# Altium PCB RabbitMask.PcbDoc (part 3 of 5)
Units mm, origin at the board's own origin, x right, y up, seen from the top; angles counter-clockwise.
Board outline 372.49 x 232.54 mm, 2 copper layers (Top Layer, Bottom Layer); 598 components, 1202 nets, 3588 pads, 0 vias.
Unrouted connection lines stored in the file: 1647.

## Board outline (continued)
cut-out: 123.534,-50.241 ccw(c123.784,-50.241) 123.784,-50.491 ccw(c123.784,-50.241) 124.034,-50.241 ccw(c123.784,-50.241) 123.784,-49.991 ccw(c123.784,-50.241)
cut-out: 122.265,-46.659 ccw(c123.263,-46.71) 124.262,-46.761 125.282,-26.787 ccw(c124.283,-26.736) 123.285,-26.685
cut-out: 122.238,-48.172 ccw(c122.488,-48.172) 122.488,-48.422 ccw(c122.488,-48.172) 122.738,-48.172 ccw(c122.488,-48.172) 122.488,-47.922 ccw(c122.488,-48.172)
cut-out: 122.187,-49.171 ccw(c122.437,-49.171) 122.437,-49.421 ccw(c122.437,-49.171) 122.687,-49.171 ccw(c122.437,-49.171) 122.437,-48.921 ccw(c122.437,-49.171)
cut-out: 93.801,-16.013 cw(c93.228,-15.194) 92.655,-14.374 115.6,1.673 cw(c116.173,0.853) 116.746,0.034
cut-out: 92.15,-16.627 ccw(c92.4,-16.627) 92.4,-16.877 ccw(c92.4,-16.627) 92.65,-16.627 ccw(c92.4,-16.627) 92.4,-16.377 ccw(c92.4,-16.627)
cut-out: 122.136,-50.17 ccw(c122.386,-50.17) 122.386,-50.42 ccw(c122.386,-50.17) 122.636,-50.17 ccw(c122.386,-50.17) 122.386,-49.92 ccw(c122.386,-50.17)
cut-out: 112.223,-55.443 ccw(c112.473,-55.443) 112.473,-55.693 ccw(c112.473,-55.443) 112.723,-55.443 ccw(c112.473,-55.443) 112.473,-55.193 ccw(c112.473,-55.443)
cut-out: 111.459,-54.797 ccw(c111.709,-54.797) 111.709,-55.047 ccw(c111.709,-54.797) 111.959,-54.797 ccw(c111.709,-54.797) 111.709,-54.547 ccw(c111.709,-54.797)
cut-out: 112.987,-56.089 ccw(c113.237,-56.089) 113.237,-56.339 ccw(c113.237,-56.089) 113.487,-56.089 ccw(c113.237,-56.089) 113.237,-55.839 ccw(c113.237,-56.089)
cut-out: 110.555,-55.867 ccw(c110.805,-55.867) 110.805,-56.117 ccw(c110.805,-55.867) 111.055,-55.867 ccw(c110.805,-55.867) 110.805,-55.617 ccw(c110.805,-55.867)
cut-out: 111.319,-56.512 ccw(c111.569,-56.512) 111.569,-56.762 ccw(c111.569,-56.512) 111.819,-56.512 ccw(c111.569,-56.512) 111.569,-56.262 ccw(c111.569,-56.512)
cut-out: 112.083,-57.158 ccw(c112.333,-57.158) 112.333,-57.408 ccw(c112.333,-57.158) 112.583,-57.158 ccw(c112.333,-57.158) 112.333,-56.908 ccw(c112.333,-57.158)
cut-out: 104.846,-60.036 119.767,-63.836 113.284,-58.356 113.285,-58.355 cw(c113.93,-57.592) 114.576,-56.828 121.449,-62.638 122.01,-51.653 cw(c123.008,-51.704) 124.007,-51.755 123.548,-60.743 138.81,-62.593 cw(c138.69,-63.586) 138.57,-64.579 130.575,-63.609 121.721,-66.397 104.352,-61.974 cw(c104.599,-61.005)
cut-out: 102.099,-59.71 ccw(c102.349,-59.71) 102.349,-59.96 ccw(c102.349,-59.71) 102.599,-59.71 ccw(c102.349,-59.71) 102.349,-59.46 ccw(c102.349,-59.71)
cut-out: 101.13,-59.463 ccw(c101.38,-59.463) 101.38,-59.713 ccw(c101.38,-59.463) 101.63,-59.463 ccw(c101.38,-59.463) 101.38,-59.213 ccw(c101.38,-59.463)
cut-out: 103.318,-60.207 ccw(c103.318,-59.957) 103.568,-59.957 ccw(c103.318,-59.957) 103.318,-59.707 ccw(c103.318,-59.957) 103.068,-59.957 ccw(c103.318,-59.957)
cut-out: 102.973,-61.563 ccw(c102.973,-61.313) 103.223,-61.313 ccw(c102.973,-61.313) 102.973,-61.063 ccw(c102.973,-61.313) 102.723,-61.313 ccw(c102.973,-61.313)
cut-out: 101.754,-61.067 ccw(c102.004,-61.067) 102.004,-61.317 ccw(c102.004,-61.067) 102.254,-61.067 ccw(c102.004,-61.067) 102.004,-60.817 ccw(c102.004,-61.067)
cut-out: 100.785,-60.82 ccw(c101.035,-60.82) 101.035,-61.07 ccw(c101.035,-60.82) 101.285,-60.82 ccw(c101.035,-60.82) 101.035,-60.57 ccw(c101.035,-60.82)
cut-out: 83.252,27.611 ccw(c83.252,27.861) 83.502,27.861 ccw(c83.252,27.861) 83.252,28.111 ccw(c83.252,27.861) 83.002,27.861 ccw(c83.252,27.861)
cut-out: 81.99,27.005 cw(c81.99,27.255) 81.74,27.255 cw(c81.99,27.255) 81.99,27.505 cw(c81.99,27.255) 82.24,27.255 cw(c81.99,27.255)
cut-out: 73.2,25.241 cw(c73.45,25.241) 73.45,25.491 cw(c73.45,25.241) 73.7,25.241 cw(c73.45,25.241) 73.45,24.991 cw(c73.45,25.241)
cut-out: 73.708,24.025 cw(c73.708,24.275) 73.458,24.275 cw(c73.708,24.275) 73.708,24.525 cw(c73.708,24.275) 73.958,24.275 cw(c73.708,24.275)
cut-out: 73.192,25.958 cw(c73.192,26.208) 72.942,26.208 cw(c73.192,26.208) 73.192,26.458 cw(c73.192,26.208) 73.442,26.208 cw(c73.192,26.208)
cut-out: 72.097,24.631 cw(c72.097,24.881) 71.847,24.881 cw(c72.097,24.881) 72.097,25.131 cw(c72.097,24.881) 72.347,24.881 cw(c72.097,24.881)
cut-out: 71.84,25.597 cw(c71.84,25.847) 71.59,25.847 cw(c71.84,25.847) 71.84,26.097 cw(c71.84,25.847) 72.09,25.847 cw(c71.84,25.847)
cut-out: 72.355,23.664 cw(c72.355,23.914) 72.105,23.914 cw(c72.355,23.914) 72.355,24.164 cw(c72.355,23.914) 72.605,23.914 cw(c72.355,23.914)
cut-out: 72.127,8.365 ccw(c72.127,8.615) 72.377,8.615 ccw(c72.127,8.615) 72.127,8.865 ccw(c72.127,8.615) 71.877,8.615 ccw(c72.127,8.615)
cut-out: 71.447,10.778 ccw(c72.303,10.261) 73.159,9.744 75.658,13.88 82.978,13.88 82.03,8.602 ccw(c83.014,8.425) 83.998,8.248 85.059,14.153 97.285,12.159 ccw(c97.597,14.07) 97.99,15.966 88.336,17.969 84.171,26.639 ccw(c83.27,26.206) 82.369,25.773 86.1,18.005 75.96,16.991 74.384,22.903 ccw(c73.418,22.645) 72.451,22.388 74.292,15.485
cut-out: 71.61,7.509 cw(c71.61,7.759) 71.36,7.759 cw(c71.61,7.759) 71.61,8.009 cw(c71.61,7.759) 71.86,7.759 cw(c71.61,7.759)
cut-out: 83.437,6.575 cw(c83.437,6.825) 83.187,6.825 cw(c83.437,6.825) 83.437,7.075 cw(c83.437,6.825) 83.687,6.825 cw(c83.437,6.825)
cut-out: 82.059,6.822 cw(c82.059,7.072) 81.809,7.072 cw(c82.059,7.072) 82.059,7.322 cw(c82.059,7.072) 82.309,7.072 cw(c82.059,7.072)
cut-out: 81.883,5.838 cw(c81.883,6.088) 81.633,6.088 cw(c81.883,6.088) 81.883,6.338 cw(c81.883,6.088) 82.133,6.088 cw(c81.883,6.088)
cut-out: 83.011,5.84 ccw(c83.261,5.84) 83.261,5.59 ccw(c83.261,5.84) 83.511,5.84 ccw(c83.261,5.84) 83.261,6.09 ccw(c83.261,5.84)
cut-out: 82.834,4.856 cw(c83.084,4.856) 83.084,5.106 cw(c83.084,4.856) 83.334,4.856 cw(c83.084,4.856) 83.084,4.606 cw(c83.084,4.856)
cut-out: 81.706,4.854 cw(c81.706,5.104) 81.456,5.104 cw(c81.706,5.104) 81.706,5.354 cw(c81.706,5.104) 81.956,5.104 cw(c81.706,5.104)
cut-out: 78.668,-10.099 ccw(c79.653,-10.276) 80.637,-10.452 83.114,3.327 ccw(c82.129,3.504) 81.145,3.681
cut-out: 80.076,-12.126 ccw(c80.076,-11.876) 80.326,-11.876 ccw(c80.076,-11.876) 80.076,-11.626 ccw(c80.076,-11.876) 79.826,-11.876 ccw(c80.076,-11.876)
cut-out: 78.448,-11.628 ccw(c78.698,-11.628) 78.698,-11.878 ccw(c78.698,-11.628) 78.948,-11.628 ccw(c78.698,-11.628) 78.698,-11.378 ccw(c78.698,-11.628)
cut-out: 79.649,-12.86 ccw(c79.899,-12.86) 79.899,-13.11 ccw(c79.899,-12.86) 80.149,-12.86 ccw(c79.899,-12.86) 79.899,-12.61 ccw(c79.899,-12.86)
cut-out: 79.472,-13.844 cw(c79.722,-13.844) 79.722,-13.594 cw(c79.722,-13.844) 79.972,-13.844 cw(c79.722,-13.844) 79.722,-14.094 cw(c79.722,-13.844)
cut-out: 78.271,-12.612 ccw(c78.521,-12.612) 78.521,-12.862 ccw(c78.521,-12.612) 78.771,-12.612 ccw(c78.521,-12.612) 78.521,-12.362 ccw(c78.521,-12.612)
cut-out: 78.094,-13.596 cw(c78.344,-13.596) 78.344,-13.346 cw(c78.344,-13.596) 78.594,-13.596 cw(c78.344,-13.596) 78.344,-13.846 cw(c78.344,-13.596)
cut-out: 70.928,9.089 cw(c70.928,9.339) 70.678,9.339 cw(c70.928,9.339) 70.928,9.589 cw(c70.928,9.339) 71.178,9.339 cw(c70.928,9.339)
cut-out: 70.411,8.233 ccw(c70.411,8.483) 70.661,8.483 ccw(c70.411,8.483) 70.411,8.733 ccw(c70.411,8.483) 70.161,8.483 ccw(c70.411,8.483)
cut-out: 71.163,27.219 64.208,53.308 cw(c65.174,53.565) 66.14,53.823 73.096,27.734 cw(c72.13,27.477)
cut-out: -1.983,11.338 ccw(c-1.007,11.119) -0.032,10.899 4.349,30.414 ccw(c3.374,30.633) 2.398,30.852
cut-out: 69.894,7.377 cw(c69.894,7.627) 69.644,7.627 cw(c69.894,7.627) 69.894,7.877 cw(c69.894,7.627) 70.144,7.627 cw(c69.894,7.627)
cut-out: 71.092,6.653 cw(c71.092,6.903) 70.842,6.903 cw(c71.092,6.903) 71.092,7.153 cw(c71.092,6.903) 71.342,6.903 cw(c71.092,6.903)
cut-out: 5.204,-4.68 cw(c5.204,-4.43) 4.954,-4.43 cw(c5.204,-4.43) 5.204,-4.18 cw(c5.204,-4.43) 5.454,-4.43 cw(c5.204,-4.43)
cut-out: 4.244,-4.403 cw(c4.244,-4.153) 3.994,-4.153 cw(c4.244,-4.153) 4.244,-3.903 cw(c4.244,-4.153) 4.494,-4.153 cw(c4.244,-4.153)
cut-out: -0.653,9.252 cw(c-0.653,9.502) -0.903,9.502 cw(c-0.653,9.502) -0.653,9.752 cw(c-0.653,9.502) -0.403,9.502 cw(c-0.653,9.502)
cut-out: -2.019,9.558 cw(c-2.019,9.808) -2.269,9.808 cw(c-2.019,9.808) -2.019,10.058 cw(c-2.019,9.808) -1.769,9.808 cw(c-2.019,9.808)
cut-out: -2.488,8.833 cw(c-2.238,8.833) -2.238,9.083 cw(c-2.238,8.833) -1.988,8.833 cw(c-2.238,8.833) -2.238,8.583 cw(c-2.238,8.833)
cut-out: -0.872,8.276 cw(c-0.872,8.526) -1.122,8.526 cw(c-0.872,8.526) -0.872,8.776 cw(c-0.872,8.526) -0.622,8.526 cw(c-0.872,8.526)
cut-out: -1.091,7.3 cw(c-1.091,7.55) -1.341,7.55 cw(c-1.091,7.55) -1.091,7.8 cw(c-1.091,7.55) -0.841,7.55 cw(c-1.091,7.55)
cut-out: -2.457,7.607 cw(c-2.457,7.857) -2.707,7.857 cw(c-2.457,7.857) -2.457,8.107 cw(c-2.457,7.857) -2.207,7.857 cw(c-2.457,7.857)
cut-out: 60.07,-8.052 ccw(c60.926,-8.569) 61.782,-9.086 70.573,5.464 ccw(c69.718,5.981) 68.862,6.499
cut-out: 60.499,-10.215 cw(c60.749,-10.215) 60.749,-9.965 cw(c60.749,-10.215) 60.999,-10.215 cw(c60.749,-10.215) 60.749,-10.465 cw(c60.749,-10.215)
cut-out: 59.551,-9.741 cw(c59.551,-9.491) 59.301,-9.491 cw(c59.551,-9.491) 59.551,-9.241 cw(c59.551,-9.491) 59.801,-9.491 cw(c59.551,-9.491)
cut-out: 60.232,-11.321 cw(c60.232,-11.071) 59.982,-11.071 cw(c60.232,-11.071) 60.232,-10.821 cw(c60.232,-11.071) 60.482,-11.071 cw(c60.232,-11.071)
cut-out: 59.034,-10.597 ccw(c59.034,-10.347) 59.284,-10.347 ccw(c59.034,-10.347) 59.034,-10.097 ccw(c59.034,-10.347) 58.784,-10.347 ccw(c59.034,-10.347)
cut-out: 59.465,-11.926 cw(c59.715,-11.926) 59.715,-11.676 cw(c59.715,-11.926) 59.965,-11.926 cw(c59.715,-11.926) 59.715,-12.176 cw(c59.715,-11.926)
cut-out: 6.165,-4.957 cw(c6.165,-4.707) 5.915,-4.707 cw(c6.165,-4.707) 6.165,-4.457 cw(c6.165,-4.707) 6.415,-4.707 cw(c6.165,-4.707)
cut-out: 4.817,-6.025 cw(c4.817,-5.775) 4.567,-5.775 cw(c4.817,-5.775) 4.817,-5.525 cw(c4.817,-5.775) 5.067,-5.775 cw(c4.817,-5.775)
cut-out: 2.331,-5.371 ccw(c2.608,-4.41) 2.885,-3.449 -2.88,-1.787 -1.127,6.021 ccw(c-2.103,6.24) -3.078,6.459 -5.244,-3.187
cut-out: 3.856,-5.748 ccw(c3.856,-5.498) 4.106,-5.498 ccw(c3.856,-5.498) 3.856,-5.248 ccw(c3.856,-5.498) 3.606,-5.498 ccw(c3.856,-5.498)
cut-out: 58.267,-11.202 cw(c58.517,-11.202) 58.517,-10.952 cw(c58.517,-11.202) 58.767,-11.202 cw(c58.517,-11.202) 58.517,-11.452 cw(c58.517,-11.202)
cut-out: 38.835,-14.375 ccw(c38.835,-14.125) 39.085,-14.125 ccw(c38.835,-14.125) 38.835,-13.875 ccw(c38.835,-14.125) 38.585,-14.125 ccw(c38.835,-14.125)
cut-out: 36.923,-15.343 ccw(c37.2,-14.382) 37.477,-13.421 7.69,-4.834 ccw(c7.413,-5.795) 7.136,-6.756
cut-out: 5.777,-6.302 ccw(c5.777,-6.052) 6.027,-6.052 ccw(c5.777,-6.052) 5.777,-5.802 ccw(c5.777,-6.052) 5.527,-6.052 ccw(c5.777,-6.052)
cut-out: 91.347,-15.48 ccw(c91.597,-15.48) 91.597,-15.73 ccw(c91.597,-15.48) 91.847,-15.48 ccw(c91.597,-15.48) 91.597,-15.23 ccw(c91.597,-15.48)
cut-out: 90.528,-16.053 ccw(c90.778,-16.053) 90.778,-16.303 ccw(c90.778,-16.053) 91.028,-16.053 ccw(c90.778,-16.053) 90.778,-15.803 ccw(c90.778,-16.053)
cut-out: 89.708,-16.626 ccw(c89.958,-16.626) 89.958,-16.876 ccw(c89.958,-16.626) 90.208,-16.626 ccw(c89.958,-16.626) 89.958,-16.376 ccw(c89.958,-16.626)
cut-out: 91.33,-17.2 ccw(c91.58,-17.2) 91.58,-17.45 ccw(c91.58,-17.2) 91.83,-17.2 ccw(c91.58,-17.2) 91.58,-16.95 ccw(c91.58,-17.2)
cut-out: 90.511,-17.773 cw(c90.761,-17.773) 90.761,-17.523 cw(c90.761,-17.773) 91.011,-17.773 cw(c90.761,-17.773) 90.761,-18.023 cw(c90.761,-17.773)
cut-out: 69.227,-27.366 ccw(c69.477,-27.366) 69.477,-27.616 ccw(c69.477,-27.366) 69.727,-27.366 ccw(c69.477,-27.366) 69.477,-27.116 ccw(c69.477,-27.366)
cut-out: 68.243,-27.541 ccw(c68.493,-27.541) 68.493,-27.791 ccw(c68.493,-27.541) 68.743,-27.541 ccw(c68.493,-27.541) 68.493,-27.291 ccw(c68.493,-27.541)
cut-out: 69.723,-28.994 ccw(c69.723,-28.744) 69.973,-28.744 ccw(c69.723,-28.744) 69.723,-28.494 ccw(c69.723,-28.744) 69.473,-28.744 ccw(c69.723,-28.744)
cut-out: 67.258,-27.717 ccw(c67.508,-27.717) 67.508,-27.967 ccw(c67.508,-27.717) 67.758,-27.717 ccw(c67.508,-27.717) 67.508,-27.467 ccw(c67.508,-27.717)
cut-out: 68.489,-28.92 ccw(c68.739,-28.92) 68.739,-29.17 ccw(c68.739,-28.92) 68.989,-28.92 ccw(c68.739,-28.92) 68.739,-28.67 ccw(c68.739,-28.92)
cut-out: 67.504,-29.095 ccw(c67.754,-29.095) 67.754,-29.345 ccw(c67.754,-29.095) 68.004,-29.095 ccw(c67.754,-29.095) 67.754,-28.845 ccw(c67.754,-29.095)
cut-out: 87.785,-34.784 ccw(c88.035,-34.784) 88.035,-35.034 ccw(c88.035,-34.784) 88.285,-34.784 ccw(c88.035,-34.784) 88.035,-34.534 ccw(c88.035,-34.784)
cut-out: 87.022,-34.138 ccw(c87.272,-34.138) 87.272,-34.388 ccw(c87.272,-34.138) 87.522,-34.138 ccw(c87.272,-34.138) 87.272,-33.888 ccw(c87.272,-34.138)
cut-out: 85.029,-34.468 ccw(c85.674,-33.704) 86.32,-32.941 78.748,-26.54 89.703,-18.879 ccw(c89.13,-18.059) 88.557,-17.24 88.557,-17.239 78.103,-24.551 79.752,-15.374 ccw(c78.768,-15.197) 77.784,-15.02 75.823,-25.928 70.901,-26.807 ccw(c71.077,-27.791) 71.253,-28.775 77.066,-27.737 85.028,-34.468
cut-out: 88.799,-35.679 ccw(c88.799,-35.429) 89.049,-35.429 ccw(c88.799,-35.429) 88.799,-35.179 ccw(c88.799,-35.429) 88.549,-35.429 ccw(c88.799,-35.429)
cut-out: 88.847,-37.696 cw(c89.492,-36.932) 90.138,-36.169 110.757,-53.6 cw(c110.112,-54.364) 109.466,-55.127 109.466,-55.128
cut-out: 86.368,-35.457 ccw(c86.368,-35.207) 86.618,-35.207 ccw(c86.368,-35.207) 86.368,-34.957 ccw(c86.368,-35.207) 86.118,-35.207 ccw(c86.368,-35.207)
cut-out: 87.645,-36.499 cw(c87.895,-36.499) 87.895,-36.249 cw(c87.895,-36.499) 88.145,-36.499 cw(c87.895,-36.499) 87.895,-36.749 cw(c87.895,-36.499)
cut-out: 86.881,-35.853 ccw(c87.131,-35.853) 87.131,-36.103 ccw(c87.131,-35.853) 87.381,-35.853 ccw(c87.131,-35.853) 87.131,-35.603 ccw(c87.131,-35.853)
cut-out: 79.092,-54.037 ccw(c79.092,-53.787) 79.342,-53.787 ccw(c79.092,-53.787) 79.092,-53.537 ccw(c79.092,-53.787) 78.842,-53.787 ccw(c79.092,-53.787)
cut-out: 76.903,-53.294 ccw(c77.153,-53.294) 77.153,-53.544 ccw(c77.153,-53.294) 77.403,-53.294 ccw(c77.153,-53.294) 77.153,-53.044 ccw(c77.153,-53.294)
cut-out: 77.872,-53.541 ccw(c78.122,-53.541) 78.122,-53.791 ccw(c78.122,-53.541) 78.372,-53.541 ccw(c78.122,-53.541) 78.122,-53.291 ccw(c78.122,-53.541)
cut-out: 80.126,-55.805 cw(c80.372,-54.836) 80.619,-53.867 100.001,-58.802 cw(c99.754,-59.771) 99.507,-60.74
cut-out: 78.496,-55.144 ccw(c78.746,-55.144) 78.746,-55.394 ccw(c78.746,-55.144) 78.996,-55.144 ccw(c78.746,-55.144) 78.746,-54.894 ccw(c78.746,-55.144)
cut-out: 77.527,-54.897 ccw(c77.777,-54.897) 77.777,-55.147 ccw(c77.777,-54.897) 78.027,-54.897 ccw(c77.777,-54.897) 77.777,-54.647 ccw(c77.777,-54.897)
cut-out: 76.558,-54.651 ccw(c76.808,-54.651) 76.808,-54.901 ccw(c76.808,-54.651) 77.058,-54.651 ccw(c76.808,-54.651) 76.808,-54.401 ccw(c76.808,-54.651)
cut-out: 40.757,-14.929 cw(c40.757,-14.679) 40.507,-14.679 cw(c40.757,-14.679) 40.757,-14.429 cw(c40.757,-14.679) 41.007,-14.679 cw(c40.757,-14.679)
cut-out: 39.796,-14.652 cw(c39.796,-14.402) 39.546,-14.402 cw(c39.796,-14.402) 39.796,-14.152 cw(c39.796,-14.402) 40.046,-14.402 cw(c39.796,-14.402)
cut-out: 38.447,-15.72 cw(c38.447,-15.47) 38.197,-15.47 cw(c38.447,-15.47) 38.447,-15.22 cw(c38.447,-15.47) 38.697,-15.47 cw(c38.447,-15.47)
cut-out: 41.727,-16.728 54.874,-20.518 59.196,-13.365 ccw(c58.34,-12.848) 57.484,-12.331 53.955,-18.172 42.281,-14.806 ccw(c42.004,-15.767)
cut-out: 40.369,-16.274 cw(c40.369,-16.024) 40.119,-16.024 cw(c40.369,-16.024) 40.369,-15.774 cw(c40.369,-16.024) 40.619,-16.024 cw(c40.369,-16.024)
cut-out: 39.408,-15.997 cw(c39.408,-15.747) 39.158,-15.747 cw(c39.408,-15.747) 39.408,-15.497 cw(c39.408,-15.747) 39.658,-15.747 cw(c39.408,-15.747)
cut-out: 36.798,-34.927 cw(c36.622,-33.943) 36.446,-32.959 65.979,-27.685 cw(c66.155,-28.67) 66.33,-29.654
cut-out: 35.022,-33.768 cw(c35.022,-33.518) 34.772,-33.518 cw(c35.022,-33.518) 35.022,-33.268 cw(c35.022,-33.518) 35.272,-33.518 cw(c35.022,-33.518)
cut-out: 34.038,-33.943 cw(c34.038,-33.693) 33.788,-33.693 cw(c34.038,-33.693) 34.038,-33.443 cw(c34.038,-33.693) 34.288,-33.693 cw(c34.038,-33.693)
cut-out: 33.053,-34.119 cw(c33.053,-33.869) 32.803,-33.869 cw(c33.053,-33.869) 33.053,-33.619 cw(c33.053,-33.869) 33.303,-33.869 cw(c33.053,-33.869)
cut-out: 35.268,-35.146 cw(c35.268,-34.896) 35.018,-34.896 cw(c35.268,-34.896) 35.268,-34.646 cw(c35.268,-34.896) 35.518,-34.896 cw(c35.268,-34.896)
cut-out: 34.284,-35.322 ccw(c34.284,-35.072) 34.534,-35.072 ccw(c34.284,-35.072) 34.284,-34.822 ccw(c34.284,-35.072) 34.034,-35.072 ccw(c34.284,-35.072)
cut-out: 33.299,-35.497 cw(c33.299,-35.247) 33.049,-35.247 cw(c33.299,-35.247) 33.299,-34.997 cw(c33.299,-35.247) 33.549,-35.247 cw(c33.299,-35.247)
cut-out: 54.615,-47.618 ccw(c54.865,-47.618) 54.865,-47.868 ccw(c54.865,-47.618) 55.115,-47.618 ccw(c54.865,-47.618) 54.865,-47.368 ccw(c54.865,-47.618)
cut-out: 52.677,-47.125 ccw(c52.927,-47.125) 52.927,-47.375 ccw(c52.927,-47.125) 53.177,-47.125 ccw(c52.927,-47.125) 52.927,-46.875 ccw(c52.927,-47.125)
cut-out: 53.646,-47.371 ccw(c53.896,-47.371) 53.896,-47.621 ccw(c53.896,-47.371) 54.146,-47.371 ccw(c53.896,-47.371) 53.896,-47.121 ccw(c53.896,-47.371)
cut-out: 55.899,-49.636 75.28,-54.571 ccw(c75.527,-53.602) 75.774,-52.633 56.392,-47.698 ccw(c56.146,-48.667)
cut-out: 54.269,-48.975 ccw(c54.519,-48.975) 54.519,-49.225 ccw(c54.519,-48.975) 54.769,-48.975 ccw(c54.519,-48.975) 54.519,-48.725 ccw(c54.519,-48.975)
cut-out: 53.3,-48.728 ccw(c53.55,-48.728) 53.55,-48.978 ccw(c53.55,-48.728) 53.8,-48.728 ccw(c53.55,-48.728) 53.55,-48.478 ccw(c53.55,-48.728)
cut-out: 52.331,-48.481 ccw(c52.581,-48.481) 52.581,-48.731 ccw(c52.581,-48.481) 52.831,-48.481 ccw(c52.581,-48.481) 52.581,-48.231 ccw(c52.581,-48.481)
cut-out: 30.638,-41.699 cw(c30.638,-41.449) 30.388,-41.449 cw(c30.638,-41.449) 30.638,-41.199 cw(c30.638,-41.449) 30.888,-41.449 cw(c30.638,-41.449)
cut-out: 28.7,-41.205 ccw(c28.7,-40.955) 28.95,-40.955 ccw(c28.7,-40.955) 28.7,-40.705 ccw(c28.7,-40.955) 28.45,-40.955 ccw(c28.7,-40.955)
cut-out: 29.669,-41.452 cw(c29.669,-41.202) 29.419,-41.202 cw(c29.669,-41.202) 29.669,-40.952 cw(c29.669,-41.202) 29.919,-41.202 cw(c29.669,-41.202)
cut-out: 9.383,-37.791 26.827,-42.233 ccw(c27.073,-41.263) 27.32,-40.294 18.837,-38.134 31.875,-35.806 ccw(c31.7,-34.822) 31.524,-33.837
cut-out: 31.672,-43.466 51.053,-48.402 ccw(c51.3,-47.433) 51.547,-46.464 32.165,-41.528 ccw(c31.919,-42.497)
cut-out: 30.292,-43.056 cw(c30.292,-42.806) 30.042,-42.806 cw(c30.292,-42.806) 30.292,-42.556 cw(c30.292,-42.806) 30.542,-42.806 cw(c30.292,-42.806)
cut-out: 29.323,-42.809 cw(c29.323,-42.559) 29.073,-42.559 cw(c29.323,-42.559) 29.323,-42.309 cw(c29.323,-42.559) 29.573,-42.559 cw(c29.323,-42.559)
cut-out: 28.354,-42.562 cw(c28.354,-42.312) 28.104,-42.312 cw(c28.354,-42.312) 28.354,-42.062 cw(c28.354,-42.312) 28.604,-42.312 cw(c28.354,-42.312)
cut-out: 318.558,107.893 318.527,108.095 318.509,108.299 318.504,108.503 318.512,108.707 318.532,108.91 318.566,109.111 318.612,109.31 318.67,109.506 318.741,109.697 318.824,109.884 318.919,110.065 319.024,110.24 319.141,110.408 319.268,110.568 319.405,110.72 319.551,110.863 319.707,110.997 319.87,111.121 320.041,111.234 320.219,111.336 320.402,111.427 320.592,111.507 320.786,111.574 320.984,111.629 321.185,111.672 321.388,111.702 321.593,111.72 321.799,111.724 322.004,111.716 322.209,111.695 322.412,111.661 322.612,111.615 322.81,111.556 323.003,111.485 323.191,111.402 323.374,111.308 323.55,111.202 323.72,111.086 323.881,110.959 324.035,110.823 324.18,110.677 324.315,110.523 324.44,110.36 324.554,110.19 324.658,110.014 324.75,109.831 324.831,109.643 324.899,109.45 324.956,109.253 324.999,109.054 325.03,108.852 325.048,108.648 325.054,108.444 325.046,108.24 325.025,108.037 324.992,107.835 324.946,107.636 324.887,107.441 324.816,107.249 324.734,107.063 324.639,106.882 324.533,106.707 324.417,106.539 324.29,106.379 324.153,106.227 324.006,106.084 323.851,105.95 323.688,105.826 323.517,105.713 323.339,105.611 323.155,105.519 322.966,105.44 322.772,105.373 322.574,105.317 322.373,105.275 322.17,105.245 321.965,105.227 321.759,105.223 321.554,105.231 321.349,105.252 321.146,105.286 320.945,105.332 320.748,105.391 320.555,105.462 320.367,105.544 320.184,105.639 320.007,105.744 319.838,105.861 319.676,105.987 319.523,106.124 319.378,106.269 319.243,106.424 319.118,106.586 319.003,106.756 318.9,106.933 318.807,107.116 318.727,107.304 318.658,107.497 318.602,107.693
cut-out: 27.266,107.063 27.183,107.249 27.112,107.441 27.054,107.636 27.008,107.835 26.974,108.037 26.954,108.24 26.946,108.444 26.951,108.648 26.969,108.852 27,109.054 27.044,109.253 27.1,109.45 27.169,109.643 27.249,109.831 27.342,110.014 27.445,110.19 27.56,110.36 27.685,110.523 27.82,110.677 27.965,110.823 28.118,110.959 28.28,111.086 28.45,111.202 28.626,111.308 28.809,111.402 28.997,111.485 29.19,111.556 29.387,111.615 29.588,111.661 29.791,111.695 29.996,111.716 30.201,111.724 30.407,111.72 30.612,111.702 30.815,111.672 31.016,111.629 31.214,111.574 31.408,111.507 31.597,111.427 31.781,111.336 31.959,111.234 32.13,111.121 32.293,110.997 32.448,110.863 32.595,110.72 32.732,110.568 32.859,110.408 32.975,110.24 33.081,110.065 33.176,109.884 33.258,109.697 33.329,109.506 33.388,109.31 33.434,109.111 33.467,108.91 33.488,108.707 33.496,108.503 33.49,108.299 33.472,108.095 33.441,107.893 33.398,107.693 33.341,107.497 33.273,107.304 33.192,107.116 33.1,106.933 32.996,106.756 32.882,106.586 32.757,106.424 32.622,106.269 32.477,106.124 32.324,105.987 32.162,105.861 31.992,105.744 31.816,105.639 31.633,105.544 31.445,105.462 31.252,105.391 31.054,105.332 30.854,105.286 30.651,105.252 30.446,105.231 30.241,105.223 30.035,105.227 29.83,105.245 29.627,105.275 29.426,105.317 29.228,105.373 29.034,105.44 28.844,105.519 28.661,105.611 28.483,105.713 28.312,105.826 28.149,105.95 27.994,106.084 27.847,106.227 27.71,106.379 27.583,106.539 27.466,106.707 27.361,106.882

## Design rules (kind name [scope] priority, off if disabled: settings)
BoardOutlineClearance [All] p1: gap=0.2 ignorepadtopadclearanceinfootprint=FALSE
Clearance Clearance_1 [All] p1: gap=0.254 ignorepadtopadclearanceinfootprint=FALSE
Clearance [All] p2: gap=0.254 ignorepadtopadclearanceinfootprint=FALSE
PolygonConnect [All] p1: thpad.connectstyle=Relief thpad.reliefconductorwidth=0.254 thpad.reliefentries=4 thpad.polygonreliefangle="90 Angle" thpad.airgapwidth=0.254 smdpad.connectstyle=Relief smdpad.reliefconductorwidth=0.254 smdpad.reliefentries=4 smdpad.polygonreliefangle="90 Angle" smdpad.airgapwidth=0.254 via.connectstyle=Direct via.reliefconductorwidth=0.254 via.reliefentries=4 via.polygonreliefangle="90 Angle" via.airgapwidth=0.254
RoutingVias [All] p1: holewidth=0.711 width=1.27 viastyle="Through Hole" minholewidth=0.3 minwidth=0.4 maxholewidth=0.711 maxwidth=1.27
SolderMaskExpansion [All] p1: expansion=0.102 istentingtop=FALSE
SupplyNets "Schematic Supply Nets_1" [InNet('GND')] p1: voltage=0.000
SupplyNets "Schematic Supply Nets" [InNet('5V')] p2: voltage=0.000
Width [All] p1: maxlimit=0.254 minlimit=0.127 preferedwidth=0.254
30 further rules are at their usual default settings.
